# Altium PCB EEar04.PcbDoc (part 2 of 2)
Units mm, origin at the board's own origin, x right, y up, seen from the top; angles counter-clockwise.
Board outline 160 x 100 mm, 2 copper layers (Top Layer, Bottom Layer); 126 components, 103 nets, 694 pads, 350 vias.
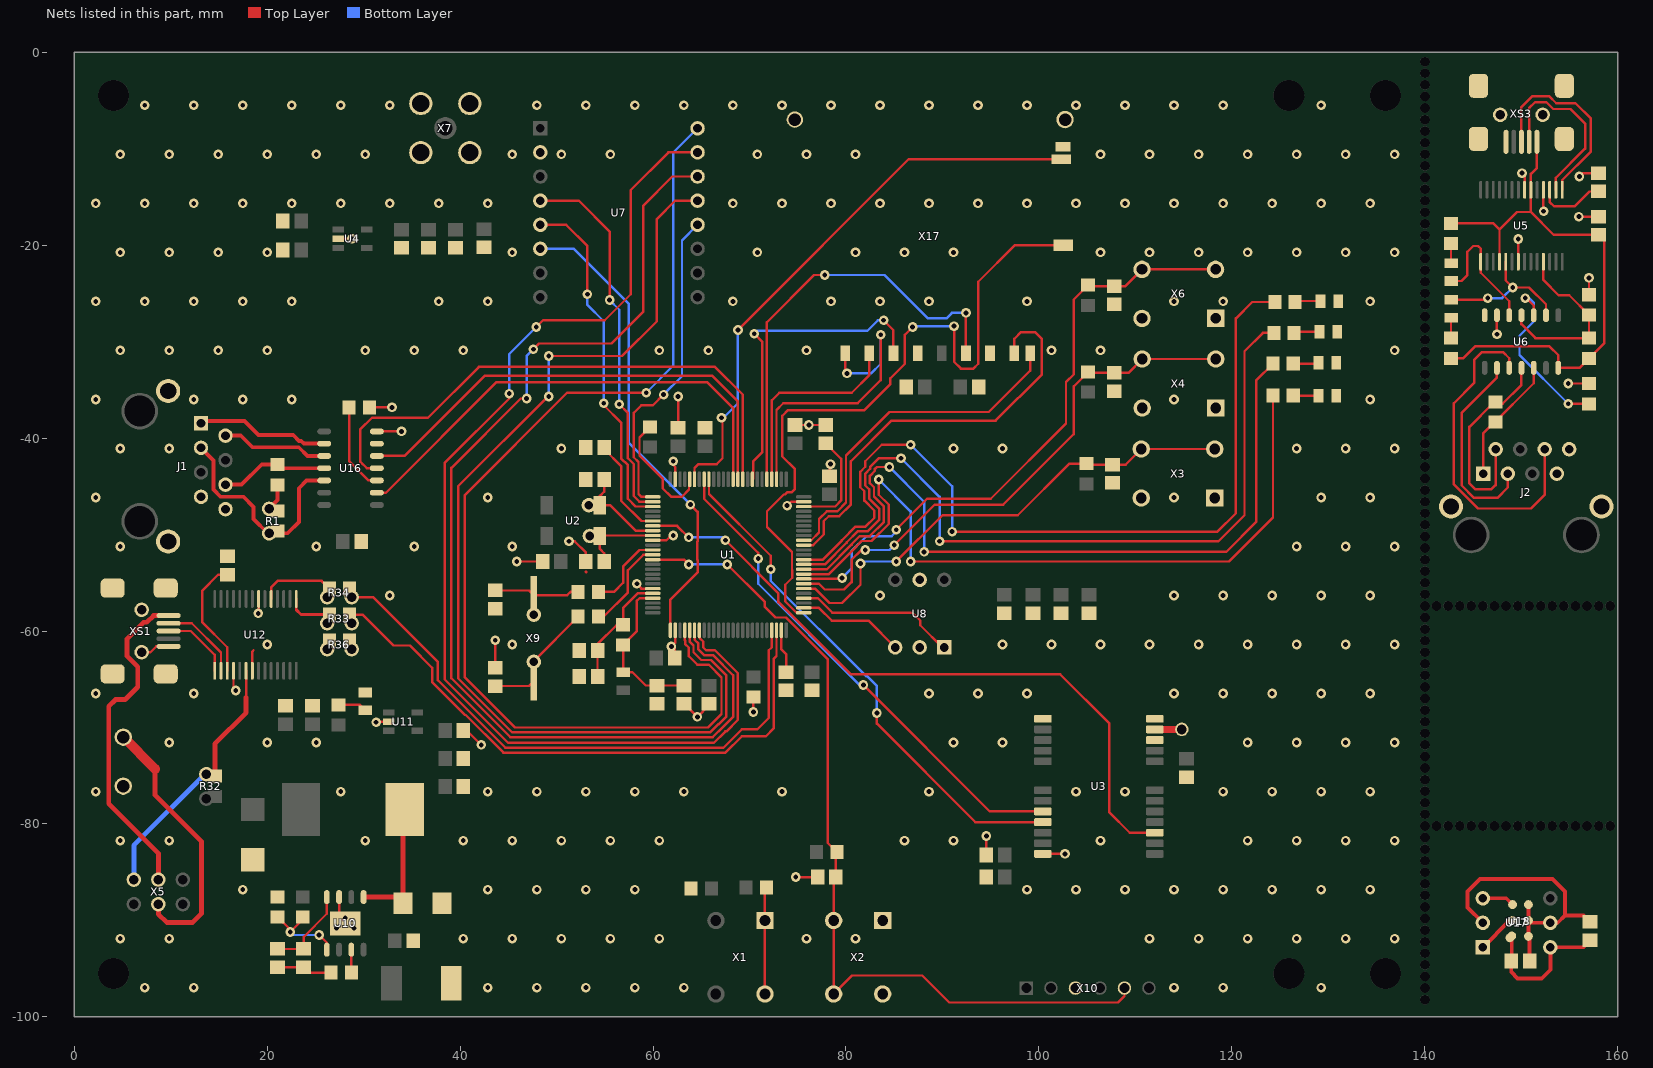
[diagram p2: the nets of this part, all layers, seen from the top]

## Via types
v1: diameter 1, hole 0.5, Top Layer to Bottom Layer, 239 vias
v2: diameter 1, hole 0.5, Top Layer to Bottom Layer, tented both sides, 111 vias

## Nets (pads, with @x,y where several pads share a name; then routed paths per layer and width w, separated by ;. In a path a pad name is that pad's centre, name@x,y a point inside that pad or via, vN(x,y) a via of type N, cw(c..) or ccw(c..) an arc to the next point about the centre after c; other vN are vias at no path point) (continued)
CPU_NRST: C1.1 R10.2 U1.14 X2.2 X2.4 X10.5 | length 91.1
  Top Layer w0.25: U1.14@59.975,-52.6 63.2,-52.6 v2(63.7,-53.1) ; v2(67.7,-53.1) 71.6,-57 71.6,-57.5 72.7,-58.6 73.8,-58.6 78.1,-62.9 78.1,-81.95 R10.2@79.05,-82.9 78.95,-83 C1.1@78.95,-85.5 78.72,-85.73 X2.2@78.72,-90 X2.4@78.72,-97.62 80.64,-95.7 87.9,-95.7 90.7,-98.5 108.2,-98.5 108.86,-97.84 X10.5@108.86,-97
  Bottom Layer w0.25: v2(63.7,-53.1) v2(67.7,-53.1)
DEBUG_RX: R33.2 U1.48 | length 62.1
  Top Layer w0.25: R33.2@28.55,-58.3 29.9,-58.3 33.1,-61.5 34.8,-61.5 37.1,-63.8 37.1,-65.3 40.504,-68.704 40.596,-68.704 44.493,-72.6 67.507,-72.6 69.207,-70.9 71.7,-70.9 72.5,-70.1 72.5,-62.9 72.8,-62.6 U1.48@72.8,-59.925
DEBUG_TX: R34.2 U1.47 | length 61.3
  Top Layer w0.25: R34.2@28.77,-56.489 30.989,-56.489 37.7,-63.2 37.7,-65.1 44.7,-72.1 67.3,-72.1 69.2,-70.2 70.8,-70.2 72,-69 72,-62 72.3,-61.7 U1.47@72.3,-59.925
GND: C1.2 C2.2 C3.2 C4.2 C5.2 C6.2 C7.2 C8.2 C9.2 C10.2 C11.2 C12.2 C13.2 C14.2 C15.2 C16.2 C17.2 C18.2 C19.1 C20.1 C21.2 C22.2 C23.2 C24.2 C25.2 C26.2 C27.2 C28.2 C29.2 C30.2 C31.2 C32.2 C33.2 C34.2 C35.2 C36.2 C37.2 C38.2 C41.2 C42.2 C43.2 C44.2 C45.2 C47.2 C51.2 C52.2 C53.2 C54.2 D1.1 D2.1 D3.1 D4.1 D5.2 D6.1 J1.7 J1.8 J1.MH1 J1.MH2 R4.1 R17.1 R29.2 R31.2 R36.1 R36.2 R37.1 U1.10 U1.20 U1.27 U1.74 U1.99 U3.10 U3.12 U3.13 U3.24 U4.2 U7.2 U8.2 U8.5 U10.3 U10.7 U10.9 U11.2 U12.7 U12.18 U12.21 U16.6 U16.7 X2.1 X2.3 X3.1 X3.3 X4.1 X4.3 X6.1 X6.3 X7.1 X7.2 X7.3 X7.4 X10.3 X16.2 X17.3 X17.6 X17.12 X17.13 X17.14 XS1.5 XS1.6 XS1.7 XS1.8 XS1.9 XS1.10 XS1.11 | length 64.7
  Top Layer w0.25: XS1.11@7,-62.2 7.924,-62.2 8.524,-61.6 XS1.5@9.8,-61.6 ; U12.18@16.525,-64.125 16.525,-65.925 v2(16.762,-66.163) ; U12.21@18.475,-64.125 18.475,-62.125 18.6,-62 ; v2(19.093,-58.175) 19.025,-58.175 19.125,-58.075 U12.7@19.125,-56.675 ; U4.2@27.375,-19.35 v2(28.8,-19.35) ; U10.3@27.465,-87.575 27.465,-89.665 U10.9@28.1,-90.3 ; U10.7@28.735,-93.025 28.735,-95.385 R31.2@28.75,-95.4 ; R37.1@30.6,-36.825 v2(32.95,-36.825) ; v2@31.306,-69.4 U11.2@32.625,-69.4 ; U16.7@31.375,-39.315 v2(33.94,-39.315) ; C45.2@40.35,-70.3 40.7,-70.3 v2(42.2,-71.8) ; C6.2@43.65,-63.8 v2(43.65,-60.95) ; v2(45.875,-52.8) C7.2@48.55,-52.8 ; v2(51.3,-50.7) 51.875,-50.7 53.05,-51.875 C23.2@53.05,-52.8 ; 53.05,-53.85 53.1,-53.9 ; v2(58.325,-55.1) 58.3,-55.1 58.8,-55.6 U1.20@59.975,-55.6 ; U1.10@59.975,-50.6 61.4,-50.6 62,-50 v2(62.1,-50.1) ; v2(62.1,-42.4) 61.9,-42.4 61.8,-42.5 62.3,-43 U1.99@62.3,-44.275 ; C12.2@62.25,-62.8 62.25,-61.55 61.95,-61.55 62.3,-61.2 U1.27@62.3,-59.925 ; C10.2@62.6,-38.95 v2(62.6,-35.7) ; C20.1@63.2,-67.55 63.25,-67.55 v2(64.6,-68.9) 65.8,-67.7 C11.2@65.8,-67.55 ; v2(70.4,-68.4) R17.1@70.4,-66.85 ; v2(73.9,-47) 74.3,-46.6 U1.74@75.625,-46.6 ; C14.2@74.7,-38.65 v2(76.15,-38.65) C17.2@77.9,-38.65 ; v2(74.8,-85.5) C1.2@77.05,-85.5 ; C9.2@78.3,-43.95 78.3,-42.8 v2(78.4,-42.7) ; C28.2@94.55,-83.2 v2(94.55,-81.25) ; U3.24@100.4,-83.1 v2(102.7,-83.1)
  other v1: 7.32,-96.96 12.4,-96.96 42.88,-96.96 47.96,-96.96 53.04,-96.96 58.12,-96.96 63.2,-96.96 114,-96.96 119.08,-96.96 129.24,-96.96 4.78,-91.88 9.86,-91.88 40.34,-91.88 45.42,-91.88 50.5,-91.88 55.58,-91.88 60.66,-91.88 75.9,-91.88 80.98,-91.88 111.46,-91.88 116.54,-91.88 121.62,-91.88 126.7,-91.88 131.78,-91.88 136.86,-91.88 17.48,-86.8 42.88,-86.8 47.96,-86.8 53.04,-86.8 58.12,-86.8 98.76,-86.8 103.84,-86.8 108.92,-86.8 114,-86.8 119.08,-86.8 124.16,-86.8 129.24,-86.8 134.32,-86.8 4.78,-81.72 9.86,-81.72 30.18,-81.72 40.34,-81.72 45.42,-81.72 50.5,-81.72 55.58,-81.72 60.66,-81.72 86.06,-81.72 91.14,-81.72 106.38,-81.72 121.62,-81.72 126.7,-81.72 131.78,-81.72 136.86,-81.72 2.24,-76.64 27.64,-76.64 42.88,-76.64 47.96,-76.64 53.04,-76.64 58.12,-76.64 63.2,-76.64 73.36,-76.64 88.6,-76.64 103.84,-76.64 108.92,-76.64 119.08,-76.64 124.16,-76.64 129.24,-76.64 134.32,-76.64 9.86,-71.56 20.02,-71.56 25.1,-71.56 91.14,-71.56 96.22,-71.56 121.62,-71.56 126.7,-71.56 131.78,-71.56 136.86,-71.56 2.24,-66.48 12.4,-66.48 88.6,-66.48 93.68,-66.48 98.76,-66.48 114,-66.48 119.08,-66.48 124.16,-66.48 129.24,-66.48 134.32,-66.48 20.02,-61.4 45.42,-61.4 96.22,-61.4 101.3,-61.4 106.38,-61.4 111.46,-61.4 116.54,-61.4 121.62,-61.4 126.7,-61.4 131.78,-61.4 136.86,-61.4 32.72,-56.32 83.52,-56.32 114,-56.32 119.08,-56.32 124.16,-56.32 129.24,-56.32 134.32,-56.32 4.78,-51.24 25.1,-51.24 35.26,-51.24 45.42,-51.24 126.7,-51.24 131.78,-51.24 136.86,-51.24 2.24,-46.16 42.88,-46.16 114,-46.16 129.24,-46.16 134.32,-46.16 4.78,-41.08 9.86,-41.08 50.5,-41.08 91.14,-41.08 96.22,-41.08 126.7,-41.08 131.78,-41.08 136.86,-41.08 2.24,-36 12.4,-36 17.48,-36 22.56,-36 114,-36 134.32,-36 4.78,-30.92 9.86,-30.92 14.94,-30.92 20.02,-30.92 30.18,-30.92 35.26,-30.92 40.34,-30.92 60.66,-30.92 65.74,-30.92 75.9,-30.92 101.3,-30.92 106.38,-30.92 136.86,-30.92 2.24,-25.84 7.32,-25.84 12.4,-25.84 17.48,-25.84 22.56,-25.84 37.8,-25.84 42.88,-25.84 68.28,-25.84 78.44,-25.84 83.52,-25.84 88.6,-25.84 98.76,-25.84 114,-25.84 119.08,-25.84 134.32,-25.84 4.78,-20.76 9.86,-20.76 14.94,-20.76 20.02,-20.76 45.42,-20.76 70.82,-20.76 80.98,-20.76 86.06,-20.76 91.14,-20.76 106.38,-20.76 111.46,-20.76 116.54,-20.76 121.62,-20.76 126.7,-20.76 131.78,-20.76 136.86,-20.76 2.24,-15.68 7.32,-15.68 12.4,-15.68 17.48,-15.68 22.56,-15.68 27.64,-15.68 32.72,-15.68 37.8,-15.68 42.88,-15.68 68.28,-15.68 73.36,-15.68 78.44,-15.68 83.52,-15.68 88.6,-15.68 93.68,-15.68 98.76,-15.68 103.84,-15.68 108.92,-15.68 114,-15.68 119.08,-15.68 124.16,-15.68 129.24,-15.68 134.32,-15.68 4.78,-10.6 9.86,-10.6 14.94,-10.6 20.02,-10.6 25.1,-10.6 30.18,-10.6 45.42,-10.6 50.5,-10.6 55.58,-10.6 70.82,-10.6 75.9,-10.6 80.98,-10.6 106.38,-10.6 111.46,-10.6 116.54,-10.6 121.62,-10.6 126.7,-10.6 131.78,-10.6 136.86,-10.6 7.32,-5.52 12.4,-5.52 17.48,-5.52 22.56,-5.52 27.64,-5.52 32.72,-5.52 47.96,-5.52 53.04,-5.52 58.12,-5.52 63.2,-5.52 68.28,-5.52 73.36,-5.52 78.44,-5.52 83.52,-5.52 88.6,-5.52 93.68,-5.52 98.76,-5.52 103.84,-5.52 108.92,-5.52 114,-5.52 119.08,-5.52 129.24,-5.52
  other v2: 27.2,-90.8 29,-90.8 28.1,-89.75 31.306,-69.45 61.9,-61.6
GND_PC: C46.2 C48.2 J2.7 J2.8 J2.MH1 J2.MH2 R20.1 R21.1 U5.7 U5.18 U5.21 U6.6 U6.7 XS3.5 XS3.6 XS3.7 XS3.8 XS3.9 XS3.10 XS3.11 | length 16.7
  Top Layer w0.25: v2(147.46,-29.24) U6.6@147.46,-27.275 ; U5.7@149.675,-21.725 v2(149.675,-19.375) ; v2(150.05,-12.55) 150.325,-12.825 U5.21@150.325,-14.275 ; U5.18@152.275,-14.275 152.275,-16.475 v2(152.3,-16.5) ; v2(154.85,-34.35) R20.1@157,-34.35 ; v2(155.95,-17.05) C46.2@158,-17.05 ; v2(156,-12.9) 156.35,-12.55 C48.2@158,-12.55 ; R21.1@157,-25.15 v2(157,-23.4)
  Bottom Layer w0.25: v2@150,-12.6 v2(150.05,-12.55) ; v2@152.3,-16.6 v2(152.3,-16.5)
GPS_1PPS: U1.7 U3.3 | length 71.1
  Top Layer w0.25: U1.7@59.975,-49.1 62.5,-49.1 v2(63.7,-50.3) ; v2(67.5,-50.6) 73,-56.1 73,-57 80.5,-64.5 102.2,-64.5 107.3,-69.6 107.3,-78.8 109.4,-80.9 U3.3@112,-80.9
  Bottom Layer w0.25: v2(63.7,-50.3) 67.2,-50.3 v2(67.5,-50.6)
GPS_CPU_RX: U1.93 U3.20 | length 52.4
  Top Layer w0.25: U1.93@65.3,-44.275 65.3,-46.3 70.9,-51.9 v2(70.9,-52.5) ; v2(81.8,-65.6) 94.9,-78.7 U3.20@100.4,-78.7
  Bottom Layer w0.25: v2(70.9,-52.5) 70.9,-55.1 81.4,-65.6 v2(81.8,-65.6)
GPS_CPU_TX: U1.92 U3.21 | length 54
  Top Layer w0.25: U1.92@65.8,-44.275 65.8,-45.8 72.2,-52.2 v2(72.2,-53.6) ; v2(83.2,-68.5) 83.2,-69.6 93.4,-79.8 U3.21@100.4,-79.8
  Bottom Layer w0.25: v2(72.2,-53.6) 72.2,-54.8 82.075,-64.675 82.183,-64.675 83.2,-65.692 v2(83.2,-68.5)
LORA_DIO0: U1.26 U7.6 | length 49.5
  Top Layer w0.25: U1.26@61.8,-59.925 61.8,-56.75 64.625,-53.925 64.625,-52.658 64.567,-52.6 64.567,-50.742 64.625,-50.683 64.625,-47.65 v2(63.875,-46.9)
  Bottom Layer w0.25: U7.6@48.325,-20.4 51.8,-20.4 57.5,-26.1 57.5,-40.525 v2(63.875,-46.9)
LORA_NSEL: U1.29 U7.16 | length 112
  Top Layer w0.25: v2(59.3,-35.3) 51.1,-35.3 40.5,-45.9 40.5,-64.8 45.7,-70 65.7,-70 67.1,-68.6 67.1,-64.8 65.8,-63.5 64.6,-63.5 63.7,-62.6 63.7,-61.714 63.325,-61.339 63.325,-61.01 63.3,-60.985 U1.29@63.3,-59.925
  Bottom Layer w0.25: v2(59.3,-35.3) 62.1,-32.5 62.1,-10.415 U7.16@64.615,-7.9
LORA_RESET: U1.1 U7.12 | length 33.1
  Top Layer w0.25: U1.1@59.975,-46.1 58.8,-46.1 58.5,-45.8 58.5,-42.493 58,-41.993 58,-37.4 58.8,-36.6 60,-36.6 v2(61.1,-35.5)
  Bottom Layer w0.25: v2(61.1,-35.5) 63,-33.6 63,-19.515 U7.12@64.615,-17.9
LORA_RXSWITCH: U1.3 U7.5 | length 36.6
  Top Layer w0.25: U7.5@48.325,-17.9 51,-17.9 53.2,-20.1 v2(53.2,-25.1) ; v2(54.9,-36.4) 54.9,-36.6 56.7,-38.4 56.7,-42.107 57.4,-42.807 57.4,-46.3 58.2,-47.1 U1.3@59.975,-47.1
  Bottom Layer w0.25: v2(53.2,-25.1) 53.2,-26.2 54.9,-27.9 v2(54.9,-36.4)
LORA_SCLK: U1.30 U7.13 | length 107.5
  Top Layer w0.25: v2(49.2,-35.7) 49.1,-35.7 39.8,-45 39.8,-64.893 45.407,-70.5 65.907,-70.5 66.732,-69.675 66.8,-69.675 67.6,-68.875 67.6,-64.593 66.007,-63 65,-63 64.2,-62.2 64.2,-61.507 63.825,-61.132 63.825,-60.803 63.8,-60.778 U1.30@63.8,-59.925 ; v2(49.2,-31.5) 56.8,-31.5 60.4,-27.9 60.4,-17.3 62.3,-15.4 U7.13@64.615,-15.4
  Bottom Layer w0.25: v2(49.2,-35.7) v2(49.2,-31.5)
LORA_SDI: U1.32 U7.15 | length 116.6
  Top Layer w0.25: v2(45.1,-35.4) 45.1,-35.9 38.4,-42.6 38.4,-65 45,-71.6 66.3,-71.6 67.5,-70.4 67.6,-70.4 68.8,-69.2 68.8,-64.379 66.421,-62 65.507,-62 65.2,-61.693 65.2,-61.093 64.825,-60.718 64.825,-59.95 U1.32@64.8,-59.925 ; v2(47.9,-28.5) 48.6,-27.8 55,-27.8 57.7,-25.1 57.7,-14.3 61.6,-10.4 U7.15@64.615,-10.4
  Bottom Layer w0.25: v2(45.1,-35.4) 45.1,-31.3 v2(47.9,-28.5)
LORA_SDO: U1.31 U7.14 | length 112.6
  Top Layer w0.25: v2(46.9,-35.9) 46.3,-35.9 39.1,-43.1 39.1,-64.9 45.2,-71 66.193,-71 67.293,-69.9 67.3,-69.9 68.3,-68.9 68.3,-64.586 66.214,-62.5 65.3,-62.5 64.7,-61.9 64.7,-61.3 64.325,-60.925 64.325,-60.595 64.3,-60.571 U1.31@64.3,-59.925 ; v2(47.6,-30.8) 48.2,-30.2 55.7,-30.2 59,-26.9 59,-15.9 62,-12.9 U7.14@64.615,-12.9
  Bottom Layer w0.25: v2(46.9,-35.9) 46.9,-31.5 v2(47.6,-30.8)
LORA_TXSWITCH: U1.2 U7.4 | length 39.2
  Top Layer w0.25: U7.4@48.325,-15.4 52.3,-15.4 55.5,-18.6 v2(55.5,-25.7) ; v2(56.5,-36.5) 57.4,-37.4 57.4,-42.1 58,-42.7 58,-46.007 58.593,-46.6 U1.2@59.975,-46.6
  Bottom Layer w0.25: v2(55.5,-25.7) 56.5,-26.7 v2(56.5,-36.5)
MIC_CLK: U1.52 U8.3 | length 11.2
  Top Layer w0.25: U1.52@75.625,-57.6 77.2,-57.6 78.525,-58.925 82.325,-58.925 U8.3@85.1,-61.7
MIC_DATA_R: U1.54 U8.1 | length 16.9
  Top Layer w0.25: U1.54@75.625,-56.6 77.093,-56.6 78.593,-58.1 86.875,-58.1 87.7,-58.925 87.7,-59.4 90,-61.7 U8.1@90.18,-61.7
NetC5_1: C5.1 R6.2 X9.2 | length 9
  Top Layer w0.25: C5.1@43.65,-55.8 47.15,-55.8 X9.2@47.65,-56.3 51.1,-56.3 51.45,-55.95 R6.2@52.25,-55.95
NetC6_1: C6.1 R7.2 X9.1 | length 12.8
  Top Layer w0.25: C6.1@43.65,-65.7 47.15,-65.7 X9.1@47.65,-65.2 X9.1@47.65,-63.2 47.65,-63.1 R7.2@52.25,-58.5
NetC15_1: C15.1 C16.1 R15.2 U1.21 | length 12.3
  Top Layer w0.25: C15.1@54.25,-64.7 C16.1@54.25,-62 54.25,-61.35 56.25,-59.35 R15.2@56.9,-59.35 56.9,-57.6 58.4,-56.1 U1.21@59.975,-56.1
NetC17_1: C17.1 U1.73 | length 10.7
  Top Layer w0.25: U1.73@75.625,-47.1 78.879,-47.1 79.5,-46.479 79.5,-42.15 C17.1@77.9,-40.55
NetC18_1: C18.1 U1.49 | length 4.5
  Top Layer w0.25: U1.49@73.3,-59.925 73.3,-61.9 73.8,-62.4 C18.1@73.8,-64.25
NetC19_2: C19.2 C20.2 L1.2 R15.1 U1.22 | length 16.6
  Top Layer w0.25: U1.22@59.975,-56.6 58.607,-56.6 58.3,-56.907 58.3,-60.05 R15.1@56.9,-61.45 L1.2@56.9,-64.275 57.875,-64.275 59.25,-65.65 C19.2@60.4,-65.65 C20.2@63.2,-65.65
NetC21_1: C21.1 U1.6 | length 10.4
  Top Layer w0.25: C21.1@54.95,-41 54.95,-41.164 56.7,-42.914 56.7,-46.5 58.8,-48.6 U1.6@59.975,-48.6
NetC39_1: C39.1 C40.1 U10.4 | length 9.1
  Top Layer w0.25: C40.1@21.1,-92.95 C39.1@23.8,-92.95 23.8,-91.7 26.195,-89.305 U10.4@26.195,-87.575
NetC39_2: C39.2 C40.2 R31.1 | length 5.8
  Top Layer w0.25: C40.2@21.1,-94.85 C39.2@23.8,-94.85 24.35,-95.4 R31.1@26.65,-95.4
NetC47_1: C47.1 U12.17 | length 12.7
  Top Layer w0.25: U12.17@15.875,-64.125 15.875,-61.675 13.3,-59.1 13.3,-55.8 14.95,-54.15 C47.1@15.9,-54.15
NetC48_1: C48.1 U5.17 | length 7.2
  Top Layer w0.25: U5.17@152.925,-14.275 152.925,-15.525 153.4,-16 155.5,-16 157.05,-14.45 C48.1@158,-14.45
NetC49_1: C49.1 C50.1 U17.6 U18.6 | length 15.2
  Top Layer w0.4: U18.6@149,-91.6 149,-94.15 C49.1@148.95,-94.2 148.95,-95.35 149.6,-96 152.1,-96 153,-95.1 U17.6@153,-92.78 156.37,-92.78 C50.1@157.1,-92.05
NetC49_2: C49.2 C50.2 U17.2 U17.5 U18.1 U18.2 U18.3 | length 30.7
  Top Layer w0.4: U17.2@146,-90.24 144.4,-88.64 144.4,-87 145.7,-85.7 153.2,-85.7 154.5,-87 154.5,-89.5 ; U18.3@150.725,-88.35 U18.2@150.725,-90 ; C49.2@150.75,-94.3 C49.2@150.85,-94.2 150.85,-91.775 U18.1@150.725,-91.65 U18.2@150.725,-90 ; C50.2@157.1,-90.15 156.45,-89.5 154.5,-89.5 ; U18.2@150.725,-90 150.965,-90.24 U17.5@153,-90.24 153.76,-90.24 154.5,-89.5
NetD1_2: D1.2 R12.2 | length 2.6
  Top Layer w0.25: R12.2@126.35,-35.6 D1.2@128.975,-35.6
NetD2_2: D2.2 R13.2 | length 2.7
  Top Layer w0.25: R13.2@126.35,-32.3 128.875,-32.3 D2.2@128.975,-32.2
NetD3_2: D3.2 R14.2 | length 2.7
  Top Layer w0.25: R14.2@126.45,-29.1 126.55,-29 D3.2@129.075,-29
NetD4_2: D4.2 R16.2 | length 2.7
  Top Layer w0.25: R16.2@126.55,-25.9 126.65,-25.8 D4.2@129.175,-25.8
NetD5_1: D5.1 L3.1 U10.1 | length 14.1
  Top Layer w0.5: U10.1@30.005,-87.575 33.45,-87.575 D5.1@34.075,-88.2 34.075,-78.7 L3.1@34.275,-78.5
NetD6_2: D6.2 R28.1 | length 3
  Top Layer w0.25: R28.1@27.4,-67.65 29.625,-67.65 D6.2@30.2,-68.225
NetD7_2: D7.2 R24.1 | length 2
  Top Layer w0.25: D7.2@142.7,-21.875 R24.1@142.7,-19.85
NetD8_2: D8.2 R23.1 | length 2.1
  Top Layer w0.25: R23.1@142.7,-29.65 D8.2@142.7,-27.525
NetJ1_1: J1.1 U16.9 | length 13.9
  Top Layer w0.4: J1.1@13.155,-38.48 13.41,-38.225 17.65,-38.225 19.11,-39.685 22.71,-39.685 23.33,-40.305 23.549,-40.305 23.829,-40.585 U16.9@25.925,-40.585
NetJ1_2: J1.2 U16.10 | length 11.1
  Top Layer w0.4: J1.2@15.695,-39.75 17.275,-39.75 18.48,-40.955 23.28,-40.955 24.18,-41.855 U16.10@25.925,-41.855
NetJ1_3: J1.3 R1.2 U16.12 | length 23.3
  Top Layer w0.4: J1.3@13.155,-41.02 14.445,-42.31 14.445,-42.808 14.45,-42.813 14.45,-44.302 14.445,-44.307 14.445,-45.348 15.177,-46.08 17.55,-46.08 18.6,-47.13 18.6,-48.4 20.07,-49.87 R1.2@20.211,-49.87 22.13,-49.87 23.3,-48.7 23.3,-45.2 24.105,-44.395 U16.12@25.925,-44.395
NetJ1_6: J1.6 R19.2 U16.11 | length 11.2
  Top Layer w0.4: J1.6@15.695,-44.83 17.37,-44.83 19.45,-42.75 R19.2@21.1,-42.75 21.475,-43.125 U16.11@25.925,-43.125
NetJ2_1: J2.1 R18.1 U6.12 | length 13.2
  Top Layer w0.25: J2.1@146.055,-43.695 146.055,-39.495 147,-38.55 147.05,-38.55 151.27,-34.33 U6.12@151.27,-32.725
NetJ2_2: J2.2 R18.2 U6.11 | length 21.7
  Top Layer w0.25: J2.2@147.325,-41.155 147.325,-44.875 146.9,-45.3 145.2,-45.3 144.6,-44.7 144.6,-38.85 147,-36.45 148.05,-36.45 150,-34.5 U6.11@150,-32.725
NetJ2_3: J2.3 U6.9 | length 20.9
  Top Layer w0.25: U6.9@147.46,-32.725 147.46,-33.74 143.8,-37.4 143.8,-44.9 145.1,-46.2 147.5,-46.2 148.595,-45.105 J2.3@148.595,-43.695
NetJ2_6: J2.6 U6.10 | length 34.8
  Top Layer w0.25: U6.10@148.73,-32.725 148.73,-31.73 148.1,-31.1 145.9,-31.1 145.1,-31.9 145.1,-34.3 143,-36.4 143,-44.819 145.481,-47.3 151,-47.3 152.405,-45.895 J2.6@152.405,-41.155
NetR1_1: R1.1 R19.1 | length 2.8
  Top Layer w0.4: R1.1@20.211,-47.33 21.1,-46.441 R19.1@21.1,-44.85
NetR2_2: R2.2 X1.1 X1.3 | length 11.1
  Top Layer w0.25: X1.3@71.6,-97.62 X1.1@71.6,-90 71.6,-86.75 R2.2@71.75,-86.6
NetR6_1: R6.1 U1.12 | length 8.4
  Top Layer w0.25: R6.1@54.35,-55.95 55.95,-55.95 56.9,-55 56.9,-53.3 58.6,-51.6 U1.12@59.975,-51.6
NetR7_1: R7.1 U1.13 | length 9.6
  Top Layer w0.25: R7.1@54.35,-58.5 54.9,-58.5 57.4,-56 57.4,-53.7 59,-52.1 U1.13@59.975,-52.1
NetR8_1: R8.1 U1.96 | length 12.3
  Top Layer w0.25: R8.1@59.7,-38.85 58.6,-39.95 58.6,-41.8 61,-44.2 61,-45.2 61.9,-46.1 62.975,-46.1 63.725,-45.35 63.725,-44.35 U1.96@63.8,-44.275
NetR20_2: R20.2 U6.3 | length 18.8
  Top Layer w0.25: v2(150.4,-25.5) 150.4,-25.4 151.27,-26.27 U6.3@151.27,-27.275 ; v2(154.85,-36.45) R20.2@157,-36.45
  Bottom Layer w0.25: v2(150.4,-25.5) 150.8,-25.5 151.3,-26 151.3,-27.9 149.8,-29.4 149.8,-31.4 v2(154.85,-36.45)
NetR21_2: R21.2 R25.2 U5.11 U6.4 | length 19.1
  Top Layer w0.25: U6.4@150,-27.275 150,-28.2 151.45,-29.65 R25.2@157,-29.65 R21.2@157,-27.25 154.95,-25.2 153.85,-25.2 152.275,-23.625 U5.11@152.275,-21.725
NetR29_1: R29.1 R30.2 U10.5 | length 9.2
  Top Layer w0.25: R29.1@21.1,-89.65 22.4,-90.95 v2(22.4,-91.2) 23.7,-89.9 R30.2@23.7,-89.65 ; v2(25.4,-91.5) 26.195,-92.295 U10.5@26.195,-93.025
  Bottom Layer w0.25: v2(22.4,-91.2) 22.7,-91.5 v2(25.4,-91.5)
NetR32_1: R32.1 U12.20 X5.4 | length 26.5
  Top Layer w0.25: 17.825,-66.9 U12.20@17.825,-64.125
  Top Layer w0.5: R32.1@14.6,-75.05 14.6,-71.7 17.825,-68.475 17.825,-66.9
  Top Layer w0.8: R32.1@14.5,-74.95 R32.1@14.6,-75.05
  Bottom Layer w0.5: X5.4@6.2,-85.76 6.2,-82.2 13.57,-74.83 R32.1@13.711,-74.83
NetR33_1: R33.1 U12.1 | length 4.8
  Top Layer w0.3: U12.1@23.025,-56.675 23.025,-57.8 23.525,-58.3 R33.1@26.45,-58.3
NetR34_1: R34.1 U12.5 | length 7.8
  Top Layer w0.25: U12.5@20.425,-56.675 20.425,-55.475 21.1,-54.8 25.65,-54.8 R34.1@26.45,-55.6
NetR37_2: R37.2 U16.3 | length 9.3
  Top Layer w0.25: R37.2@28.5,-36.825 28.5,-42.375 30.52,-44.395 U16.3@31.375,-44.395
NetU3_11: U3.11 X11.1 | length 2.8
  Top Layer w0.7: U3.11@112,-70.2 X11.1@114.8,-70.2
NetU5_15: U5.15 XS3.3 | length 20.8
  Top Layer w0.25: XS3.3@150,-9.3 150,-5.7 151.1,-4.6 152.9,-4.6 153.6,-5.3 155.6,-5.3 157.2,-6.9 157.2,-10.3 154.225,-13.275 U5.15@154.225,-14.275
NetU5_16: U5.16 XS3.2 | length 18.6
  Top Layer w0.25: XS3.2@150.8,-9.3 150.8,-5.8 151.4,-5.2 152.593,-5.2 153.293,-5.9 155.1,-5.9 156.6,-7.4 156.6,-10 153.575,-13.025 U5.16@153.575,-14.275
NetU12_15: U12.15 XS1.3 | length 7.5
  Top Layer w0.25: XS1.3@9.8,-60 12.1,-60 14.575,-62.475 U12.15@14.575,-64.125
NetU12_16: U12.16 XS1.2 | length 8.6
  Top Layer w0.25: XS1.2@9.8,-59.2 12.2,-59.2 15.225,-62.225 U12.16@15.225,-64.125
NetU17_1: U17.1 U18.5 | length 4.2
  Top Layer w0.4: U17.1@146,-92.78 148.78,-90 U18.5@149.075,-90
NetU17_3: U17.3 U18.4 | length 3.3
  Top Layer w0.4: U17.3@146,-87.7 148.425,-87.7 U18.4@149.075,-88.35
NetX5_2: X5.2 X16.1 | length 27.9
  Top Layer w0.5: 8.4,-74.3 8.4,-77 13.2,-81.8 13.2,-89.3 12.3,-90.2 9.6,-90.2 8.74,-89.34 X5.2@8.74,-88.3
  Top Layer w1: X16.1@5.1,-71 8.4,-74.3
NetX5_5: X5.5 XS1.1 | length 34.7
  Top Layer w0.5: X5.5@8.74,-85.76 8.74,-83.04 3.6,-77.9 3.6,-67.8 4.3,-67.1 5.3,-67.1 6.6,-65.8 6.6,-63.7 5.5,-62.6 5.5,-60.8 7.2,-59.1 7.538,-59.1 8.238,-58.4 XS1.1@9.8,-58.4
OSCI_LOW: C22.1 U1.8 U2.1 | length 9.4
  Top Layer w0.25: C22.1@54.95,-44.3 54.95,-45.55 54.5,-46 U2.1@54.5,-46.95 55.55,-46.95 58.2,-49.6 U1.8@59.975,-49.6
OSCO_LOW: C23.1 U1.9 U2.4 | length 8.3
  Top Layer w0.25: C23.1@54.95,-52.8 54.95,-51.95 54.5,-51.5 U2.4@54.5,-50.15 54.55,-50.1 U1.9@59.975,-50.1
PC_5V: C46.1 R23.2 R24.2 R25.1 U5.4 U5.20 U6.14 XS3.1 | length 58.8
  Top Layer w0.25: R23.2@142.7,-31.75 143.95,-31.75 145.2,-30.5 152.9,-30.5 153.81,-31.41 U6.14@153.81,-32.725 156.025,-32.725 R25.1@157,-31.75 158.6,-30.15 158.6,-19.55 C46.1@158,-18.95 153.35,-18.95 150.975,-16.575 ; R24.2@142.7,-17.75 147.1,-17.75 147.725,-18.375 ; U5.4@147.725,-21.725 147.725,-18.375 ; XS3.1@151.6,-9.3 151.6,-12 150.975,-12.625 U5.20@150.975,-14.275 150.975,-16.575 ; 147.725,-18.375 149.525,-16.575 150.975,-16.575
PD9: C2.1 R5.2 U1.56 X3.2 X3.4 | length 51.2
  Top Layer w0.25: U1.56@75.625,-55.6 76.8,-55.6 78.3,-57.1 79.6,-57.1 81.5,-55.2 v2(81.5,-53) ; v2(85.2,-52.8) 90,-48 97.8,-48 103.15,-42.65 R5.2@104.9,-42.65 105,-42.75 C2.1@107.6,-42.75 108.985,-42.75 X3.4@110.597,-41.138 X3.2@118.217,-41.138
  Bottom Layer w0.25: v2(81.5,-53) 81.7,-52.8 v2(85.2,-52.8)
PD10: C3.1 R9.2 U1.57 X4.2 X4.4 | length 57.2
  Top Layer w0.25: U1.57@75.625,-55.1 77.2,-55.1 77.8,-55.7 79.8,-55.7 80.575,-54.925 80.575,-52.617 81.592,-51.6 v2(82,-51.6) ; v2(85,-51.1) 89.2,-46.9 96.3,-46.9 103.6,-39.6 103.6,-34.65 R9.2@105.1,-33.15 105.2,-33.25 C3.1@107.8,-33.25 109.26,-33.25 X4.4@110.697,-31.813 X4.2@118.317,-31.813
  Bottom Layer w0.25: v2(82,-51.6) 84.5,-51.6 v2(85,-51.1)
PD11: C4.1 R11.2 U1.58 X6.2 X6.4 | length 64.4
  Top Layer w0.25: U1.58@75.625,-54.6 79.5,-54.6 v2(79.6,-54.5) ; v2(85.2,-49.5) 88.4,-46.3 95,-46.3 102.8,-38.5 102.8,-34.2 103.6,-33.4 103.6,-25.65 R11.2@105.1,-24.15 105.2,-24.25 C4.1@107.8,-24.25 108.95,-24.25 X6.4@110.68,-22.52 X6.2@118.3,-22.52
  Bottom Layer w0.25: v2(79.6,-54.5) 80.575,-53.525 80.575,-51.717 82.117,-50.175 84.725,-50.175 85.3,-49.6 v2(85.2,-49.5)
PD12: R12.1 U1.59 | length 77.9
  Top Layer w0.25: U1.59@75.625,-54.1 78.221,-54.1 81.075,-51.246 81.075,-51.217 81.617,-50.675 82.654,-50.675 84.425,-48.904 84.425,-46.895 83.4,-45.871 v2(83.4,-44.3) ; v2(86.7,-52.8) 119.7,-52.8 124.25,-48.25 R12.1@124.25,-35.6
  Bottom Layer w0.25: v2(83.4,-44.3) 86.7,-47.6 v2(86.7,-52.8)
PD13: R13.1 U1.60 | length 81.3
  Top Layer w0.25: U1.60@75.625,-53.6 78.014,-53.6 80.575,-51.039 80.575,-51.01 81.41,-50.175 82.447,-50.175 83.925,-48.697 83.925,-47.103 82.9,-46.078 82.9,-45.108 82.475,-44.683 82.475,-43.917 83,-43.392 83,-43.2 83.2,-43 v2(84.5,-43) ; v2(88.1,-51.8) 119.4,-51.8 122.5,-48.7 122.5,-34.05 R13.1@124.25,-32.3
  Bottom Layer w0.25: v2(84.5,-43) 88.1,-46.6 v2(88.1,-51.8)
PD14: R14.1 U1.61 | length 83.4
  Top Layer w0.25: U1.61@75.625,-53.1 77.807,-53.1 80.075,-50.832 80.075,-50.803 81.203,-49.675 82.24,-49.675 83.425,-48.49 83.425,-47.31 82.4,-46.285 82.4,-45.315 81.975,-44.89 81.975,-43.71 82.5,-43.185 82.5,-42.993 83.418,-42.075 84.883,-42.075 84.908,-42.1 v2(85.7,-42.1) ; v2(89.7,-50.7) 118.6,-50.7 121.3,-48 121.3,-31 123.2,-29.1 R14.1@124.35,-29.1
  Bottom Layer w0.25: v2(85.7,-42.1) 89.7,-46.1 v2(89.7,-50.7)
PD15: R16.1 U1.62 | length 87.1
  Top Layer w0.25: U1.62@75.625,-52.6 77.6,-52.6 79.575,-50.625 79.575,-50.596 80.996,-49.175 82.025,-49.175 82.925,-48.275 82.925,-47.517 81.9,-46.492 81.9,-45.522 81.475,-45.097 81.475,-43.503 82,-42.978 82,-42.4 83.7,-40.7 v2(86.7,-40.7) ; v2(91,-49.7) 118.5,-49.7 120.4,-47.8 120.4,-27.6 122.1,-25.9 R16.1@124.45,-25.9
  Bottom Layer w0.25: v2(86.7,-40.7) 91,-45 v2(91,-49.7)
RS485_DE: U1.85 U16.4 | length 57.6
  Top Layer w0.25: U16.4@31.375,-43.125 30.35,-43.125 29.65,-42.425 29.65,-39.125 30.875,-37.9 36.675,-37.9 41.95,-32.625 66.425,-32.625 69.3,-35.5 U1.85@69.3,-44.275
RS485_DI: U1.86 U16.5 | length 50.1
  Top Layer w0.25: U16.5@31.375,-41.855 34.245,-41.855 42.575,-33.525 66.125,-33.525 68.8,-36.2 U1.86@68.8,-44.275
RS485_RO: U1.87 U16.2 | length 50.2
  Top Layer w0.25: U16.2@31.375,-45.665 32.31,-45.665 43.775,-34.2 65.6,-34.2 68.3,-36.9 U1.87@68.3,-44.275
RS485_RX: D7.1 U5.1 U6.5 | length 14.2
  Top Layer w0.25: D7.1@142.7,-23.725 143.775,-23.725 144.4,-23.1 144.4,-20.7 145,-20.1 145.5,-20.1 145.775,-20.375 U5.1@145.775,-21.725 145.775,-22.875 148.73,-25.83 U6.5@148.73,-27.275
RS485_TX: D8.1 U5.5 U6.2 | length 15.2
  Top Layer w0.25: D8.1@142.7,-25.675 146.325,-25.675 v2(146.5,-25.5) ; U5.5@148.375,-21.725 148.375,-23.675 v2(149.1,-24.4) 150.8,-24.4 152.54,-26.14 U6.2@152.54,-27.275
  Bottom Layer w0.25: v2(146.5,-25.5) 148,-25.5 v2(149.1,-24.4)
SD_CD: U1.51 X17.10 | length 74.4
  Top Layer w0.25: U1.51@75.625,-58.1 74.874,-58.1 73.7,-56.926 73.7,-55.208 74.425,-54.483 74.425,-53.692 74.4,-53.667 74.4,-51.8 71.825,-49.225 71.817,-49.225 71.817,-47.583 73.55,-45.85 73.683,-45.85 73.933,-45.6 74.4,-45.6 74.7,-45.3 74.7,-43.2 73.4,-41.9 73.4,-37.7 74,-37.1 81.9,-37.1 84.6,-34.4 84.6,-33.8 86.1,-32.3 86.1,-29.3 v2(86.9,-28.5) ; v2(91.2,-28.4) 91.2,-32.1 91.9,-32.8 93.2,-32.8 93.7,-32.3 93.7,-23.8 97.5,-20 X17.10@102.5,-20
  Bottom Layer w0.25: v2(86.9,-28.5) 87,-28.4 v2(91.2,-28.4)
SD_CLK: U1.80 X17.5 | length 45.2
  Top Layer w0.25: U1.80@71.8,-44.275 71.8,-28 76.7,-23.1 v2(77.8,-23.1) ; X17.5@92.43,-31.2 v2(92.43,-27.03)
  Bottom Layer w0.25: v2(77.8,-23.1) 84,-23.1 88.5,-27.6 90.4,-27.6 90.97,-27.03 v2(92.43,-27.03)
SD_CMD: U1.83 X17.2 | length 33.6
  Top Layer w0.25: U1.83@70.3,-44.275 70.375,-44.2 70.375,-42.425 71.3,-41.5 71.3,-30 v2(70.5,-29.2) ; v2(83.9,-27.8) 84.9,-28.8 84.9,-31.18 X17.2@84.92,-31.2
  Bottom Layer w0.25: v2(70.5,-29.2) 70.8,-28.9 82.2,-28.9 83.3,-27.8 v2(83.9,-27.8)
SD_DAT0: U1.65 X17.7 | length 44
  Top Layer w0.25: U1.65@75.625,-51.1 76.6,-51.1 77.7,-50 77.7,-48.607 78.207,-48.1 79.293,-48.1 80.5,-46.893 80.5,-42.4 84.7,-38.2 95.5,-38.2 100.3,-33.4 100.3,-29.75 99.575,-29.025 98.125,-29.025 97.43,-29.72 X17.7@97.43,-31.2
SD_DAT1: U1.66 X17.8 | length 36.2
  Top Layer w0.25: U1.66@75.625,-50.6 76.393,-50.6 77.2,-49.793 77.2,-48.4 78,-47.6 79.086,-47.6 80,-46.686 80,-41.8 84.5,-37.3 94.8,-37.3 99.08,-33.02 99.08,-32.5 X17.8@99.08,-31.2
SD_DAT2: U1.78 X17.9 | length 33
  Top Layer w0.25: U1.78@72.8,-44.275 72.8,-37.1 73.5,-36.4 81.2,-36.4 83.6,-34 v2(83.6,-29.3) ; X17.9@79.92,-31.2 79.92,-33.12 v2(80.1,-33.3)
  Bottom Layer w0.25: v2(80.1,-33.3) 82.6,-33.3 83.6,-32.3 v2(83.6,-29.3)
SD_DAT3: U1.79 X17.1 | length 21.7
  Top Layer w0.25: U1.79@72.3,-44.275 72.3,-36.1 73.1,-35.3 80.6,-35.3 82.42,-33.48 X17.1@82.42,-31.2
SD_WP: U1.95 X17.11 | length 59.5
  Top Layer w0.25: U1.95@64.3,-44.275 64.3,-43.1 64.7,-42.7 66.6,-42.7 67.2,-42.1 67.2,-38 v2(67.1,-37.9) ; v2(68.8,-28.8) 86.5,-11.1 X17.11@102.3,-11.1
  Bottom Layer w0.25: v2(67.1,-37.9) 67.3,-37.9 68.8,-36.4 v2(68.8,-28.8)
pads on no net: J1.4 J1.5 J1.MH3 J1.MH4 J2.4 J2.5 J2.MH3 J2.MH4 U1.4 U1.5 U1.15 U1.16 U1.17 U1.18 U1.23 U1.24 U1.25 U1.33 U1.34 U1.35 U1.36 U1.38 U1.39 U1.40 U1.41 U1.42 U1.43 U1.44 U1.45 U1.46 U1.53 U1.55 U1.63 U1.64 U1.67 U1.68 U1.69 U1.70 U1.71 U1.81 U1.82 U1.84 U1.88 U1.91 U1.97 U1.98 U2.2 U2.3 U3.1 U3.2 U3.4 U3.5 U3.6 U3.7 U3.8 U3.14 U3.15 U3.16 U3.17 U3.18 U3.19 U4.4 U5.2 U5.3 U5.6 U5.8 U5.9 U5.10 U5.12 U5.13 U5.14 U5.19 U5.22 U5.23 U5.24 U5.25 U5.26 U5.27 U5.28 U6.1 U6.8 U6.13 U7.7 U7.8 U7.9 U7.10 U7.11 U8.4 U10.2 U10.6 U11.4 U12.2 U12.3 U12.6 U12.8 U12.9 U12.10 U12.11 U12.12 U12.13 U12.14 U12.19 U12.22 U12.23 U12.24 U12.25 U12.26 U12.27 U12.28 U16.1 U16.8 U16.13 U17.4 X5.3 X5.6 XS1.4 XS3.4

## Polygon pours and split planes (outlines as drawn)
GND_PC on Top Layer "Top Layer-No Net 1" (solid, pour order 8): 141,-56.5 159,-56.5 159,-1 150.3,-1 141,-1
GND on Top Layer "Top Layer-No Net" (solid, remove dead copper, pour order 4): 1,-1 139,-1 139,-99 1,-99
GND_PC on Bottom Layer "Top Layer-No Net 1" (solid, pour order 10): 141,-1 159,-1 159,-56.5 141,-56.5 141,-1
GND on Bottom Layer "Top Layer-No Net" (solid, remove dead copper, pour order 6): 1,-99 1,-1 139,-1 139,-99 1,-99

## Silkscreen, mask and mechanical layers (free items; w line width, h text height)
Top Overlay:
  lines w0.254: 140,-99 140,-3 ; 140,-80.2 159.9,-80.2
  text "RESET" at 85.8,-90.2 h0.8
  text "BOOT" at 61.6,-90.4 h0.8
  text "Discovery Board Connection" at 97.2,-95.1 h0.8
  text "REV 0.4" at 55.9,-99.1 h0.8
Mechanical 13:
  lines w0.254: 140,-100 160,-100 160,0 140,0 ; 140,-100 0,-100 0,0 140,0 ; 140,-100 140,0
Mechanical 29:
  lines w0.2: 0,-100 140,-100 140,0 0,0 0,-100
  text "TOP ASSEMBLY" at 2,1 h1
  text ".VariantName" at 15,1 h1
  text "0 ohm" at 18,-62 h1 r270
Mechanical 30:
  lines w0.2: 0,-100 140,-100 140,0 0,0 0,-100
  text "BOTTOM ASSEMBLY" at 2,1 h0.8
  text ".VariantName" at 15,1 h0.8

## Dimensions
0,0 to 160,-100 on Mechanical 13
140,-100 to 140,0 on Mechanical 13

## Text inside footprints (layer, text, board x,y; h text height)
U8: Mechanical 29 "CLK" at 85.3,-65.1 h0.8 r90; Mechanical 29 "GND" at 88,-65.2 h0.8 r90; Mechanical 29 "DATA" at 90.6,-66 h0.8 r90; Mechanical 29 "3V3" at 90.8,-53.3 h0.8 r90; Mechanical 29 "GND" at 88,-53.4 h0.8 r90; Top Overlay "1" at 92.1,-64.2 h1.52 r90
U17: Mechanical 29 "GND" at 154.3,-90.6 h0.8; Mechanical 29 "3V3" at 154.4,-93.4 h0.8; Mechanical 29 "DATA" at 141.7,-93.2 h0.8; Mechanical 29 "GND" at 142.5,-90.6 h0.8; Mechanical 29 "CLK" at 142.6,-87.9 h0.8; Top Overlay "1" at 143.5,-94.7 h1.52
U18: Mechanical 29 "1" at 151.6,-91.2 h1 r180
X10: Mechanical 29 "1" at 96.45,-97.75 h1